# KiCad board board_delta.kicad_pcb (continued)
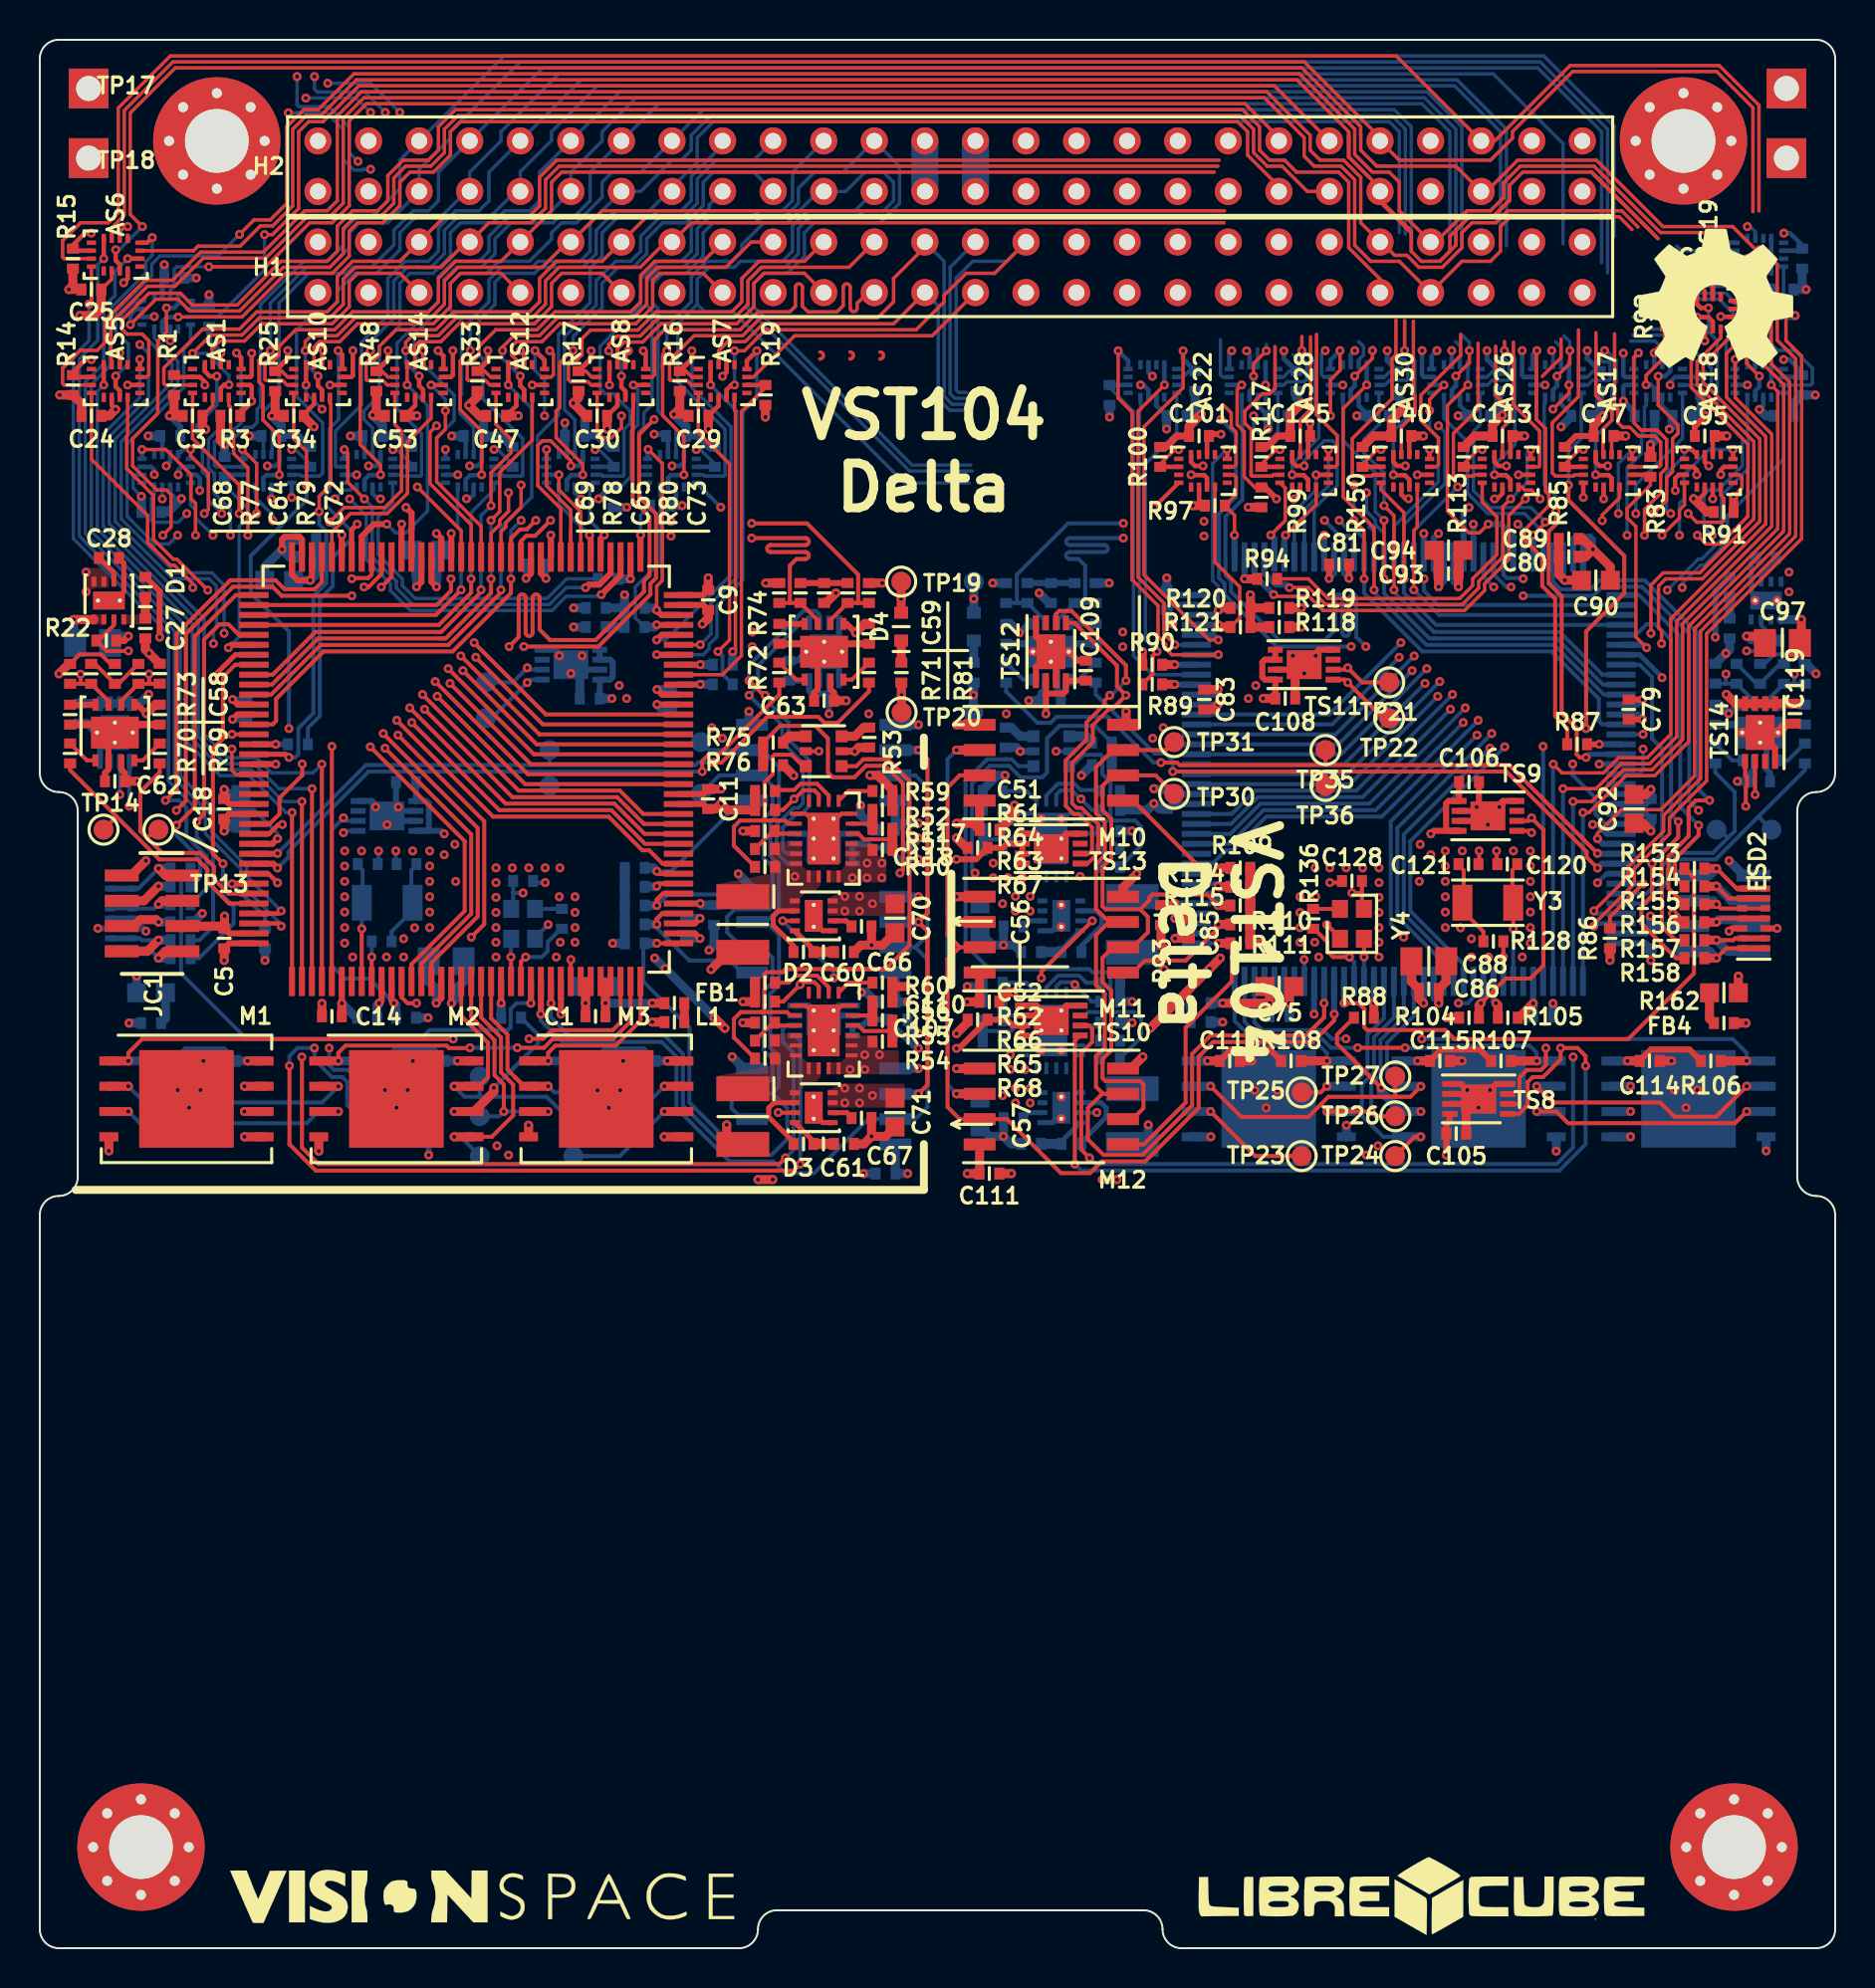
[diagram p0: board, top side]
## Routing (per net, layer and track width the routed paths; a pad name or vN(x,y) marks a point on that pad's centre or on a via; arc(x,y) is an arc through that point) (continued)
/OBC_right/USER2_2: length 30.8
  Top w0.225: AS17.8 79.96,75.27 v1(80,75.31)
  In2.Cu w0.173: v1(68.92,64.19) 71.34,66.61 75.16,66.61 75.41,66.87 75.42,66.87 79.28,70.73 v1(79.28,72.08)
  Bottom w0.17: v1(80,75.31) 79.28,74.59 79.28,73.07
  Bottom w0.173: v1(79.28,72.08) 79.28,73.07
  Bottom w0.2: v1(68.92,64.19) 65.22,60.49 U4.57
/OBC_right/USER2_4: length 29.1
  Top w0.225: AS17.12 78.14,74.67 78.34,74.48 v1(78.74,74.48)
  In2.Cu w0.173: v1(78.74,74.48) 78.74,73.67 78.03,72.96 78.03,72.14 75.36,69.47 75.36,67.74 74.83,67.21 70.62,67.21 68.27,64.86 v1(68.27,64.86)
  Bottom w0.2: v1(68.27,64.86) 68.24,64.83 68.24,64.82 64.91,61.49 U4.59
/OBC_right/USER2_EN: length 11.8
  Top w0.17: v1(80.7,65.34) 80.16,65.88 80.16,71.43 79.72,71.87 79.72,72.34 80.89,73.51 R83.1
  Top w0.225: R83.1 80.79,74.03 AS17.6
  Bottom w0.3: v1(80.7,65.34) 80.55,65.49 U4.114
/OBC_right/USER3_1: length 32.4
  Top w0.17: v1(81.47,70.99) 82.35,71.87 82.35,72.26 82.6,72.52 AS18.16
  In2.Cu w0.173: v1(70.95,62.99) 73.07,65.11 75.79,65.11 79.82,69.15 81.47,70.8 v1(81.47,70.99)
  Bottom w0.2: v1(70.95,62.99) 66.12,58.16 61.04,58.16 59.87,56.99 U4.50
/OBC_right/USER3_2: length 36.1
  Top w0.173: AS18.4 84.42,73.01 84.57,72.86 84.57,71.73 84.49,71.65 83.22,71.65 v1(82.79,72.08)
  In2.Cu w0.173: v1(82.79,72.08) 82.79,70.81 76.19,64.21 74.12,64.21 v1(71.49,61.58)
  Bottom w0.2: v1(71.49,61.58) 67.09,57.18 61.46,57.18 59.77,55.49 U4.47
/OBC_right/USER3_3: length 35.5
  Top w0.225: v1(82.6,75.31) 82.96,75.31 AS18.12
  In2.Cu w0.173: v1(70.85,62.25) 73.41,64.81 75.94,64.81 81.91,70.78 v1(81.91,72.08)
  Bottom w0.173: v1(81.91,72.08) 81.7,72.29 81.7,74.09 82.6,74.99 v1(82.6,75.31)
  Bottom w0.2: v1(70.85,62.25) 66.43,57.83 61.18,57.83 59.83,56.49 U4.49
/OBC_right/USER3_4: length 37.2
  Top w0.225: AS18.8 85.04,75.3 v1(85.04,75.3)
  In2.Cu w0.173: v1(71.59,62.32) 73.78,64.51 76.07,64.51 82.35,70.79 v1(82.35,70.99)
  Bottom w0.173: v1(82.35,70.99) 82.35,72.6 82.58,72.83 82.58,74.04 83.84,75.3 v1(85.04,75.3)
  Bottom w0.2: v1(71.59,62.32) 71.59,62.32 66.78,57.51 61.31,57.51 59.79,55.99 U4.48
/OBC_right/USER3_EN: length 27.6
  Top w0.173: v1(85.07,72.95) 85.48,73.36 85.48,73.91 85.37,74.03 AS18.6
  Top w0.225: AS18.14 83.06,74.43 83.22,74.27 v1(83.22,74.03)
  Top w0.45: R91.1 v1(85.07,72.95)
  In2.Cu w0.17: 76.99,61.37 v1(76.99,59.5)
  In2.Cu w0.173: 85.07,72.84 v1(85.07,72.95) ; v1(85.07,72.95) 85.07,71.39 83.54,69.86 83.54,68.77 81.91,67.14 81.91,65.36 78.3,61.75 77.29,61.75 76.99,61.45 76.99,61.37 ; v1(85.07,72.95) 84.46,73.56 83.69,73.56 v1(83.22,74.03)
  Bottom w0.2: v1(76.99,59.5) 76.99,58.94 78.13,57.79 78.13,56.99 78.63,56.49 U4.132
/OBC_right/USER4_1: length 44.7
  Top w0.173: AS19.4 84.42,80.91 83.24,79.73 83.24,78.54 86.08,75.7 86.08,71.81 83.37,69.1 81.53,69.1 80.92,68.49 v1(80.92,66.07)
  In2.Cu w0.173: v1(73.57,60.36) 75.91,62.7 77.41,62.7 80.78,66.07 v1(80.92,66.07)
  Bottom w0.2: U4.13 71.5,49.44 68.83,52.11 68.83,55.62 v1(73.57,60.36)
/OBC_right/USER4_2: length 48.7
  Top w0.225: AS19.12 83.22,82.61 83.42,82.41 v1(83.81,82.41)
  In2.Cu w0.173: v1(72.18,60.95) 74.84,63.61 76.46,63.61 83.4,70.55 83.55,70.55 v1(83.99,70.99)
  In2.Cu w0.2: v1(71.25,47.48) 68.5,50.23 v1(68.5,50.8)
  Bottom w0.173: v1(83.99,70.99) 83.58,71.4 83.58,73.03 83.81,73.26 84.29,73.26 85.51,74.48 85.51,75.85 84.24,77.12 84.24,80.76 83.81,81.2 v1(83.81,82.41)
  Bottom w0.2: v1(72.18,60.95) 67.85,56.62 67.85,51.45 v1(68.5,50.8) ; U4.12 72,47.78 71.7,47.48 v1(71.25,47.48)
/OBC_right/USER4_3: length 43.8
  Top w0.173: AS19.8 85.04,82.73 85.07,82.7 85.47,82.7 86.06,82.1 86.06,81.36 85.81,81.1 85.04,81.1 83.54,79.61 83.54,78.67 86.38,75.82 86.38,71.69 83.5,68.8 81.66,68.8 81.3,68.45 81.3,66.33 81.45,66.18 v1(81.45,65.55)
  In2.Cu w0.173: v1(75.5,60.38) 77.18,62.06 78.06,62.06 78.38,62.38 78.38,62.38 81.45,65.44 v1(81.45,65.55)
  Bottom w0.2: U4.5 75.5,59.44 v1(75.5,60.38)
/OBC_right/USER4_4: length 46.6
  Top w0.173: AS19.16 82.6,80.68 82.94,80.34 82.94,78.42 85.78,75.58 85.78,71.94 ; 85.78,71.94 85.6,71.76 ; 85.78,71.94 84.4,70.55 83.69,70.55 v1(83.25,70.99)
  In2.Cu w0.173: v1(72.24,61.69) 74.46,63.91 76.32,63.91 83.25,70.85 v1(83.25,70.99)
  Bottom w0.2: U4.45 58.89,54.49 59.56,55.16 59.91,55.16 61.6,56.85 67.4,56.85 v1(72.24,61.69) 72.24,61.66
/OBC_right/USER4_EN: length 32.6
  Top w0.225: AS19.14 81.77,82.37 R92.1 ; AS19.6 84.43,81.97 v1(84.42,81.98)
  Top w0.45: R92.1 v1(81.67,83.08)
  In2.Cu w0.173: v1(80.52,60.25) 80.05,60.72 80.05,63.07 82.21,65.22 82.21,67.01 83.84,68.64 83.84,69.74 85.51,71.41 85.51,78.01 84.42,79.1 v1(84.42,81.98) 84.42,82.45 83.79,83.08 v1(81.67,83.08)
  Bottom w0.173: U4.127 80.33,58.99 80.52,59.18 v1(80.52,60.25)
/OBC_right/USER5_1: length 38.7
  Top w0.173: v1(85.15,79.83) 85.15,77.91 86.98,76.07 86.98,71.44 82.21,66.67 82.21,60.87 80.85,59.51 79.41,59.51 78.16,58.26 v1(76.5,58.26)
  Bottom w0.2: U4.3 76.5,56.94 76.5,56.94 v1(76.5,58.26)
  Bottom w0.225: AS23.16 85.14,79.82 v1(85.15,79.83)
/OBC_right/USER5_2: length 39.9
  In2.Cu w0.173: v1(82.49,68.36) 77.13,63 75.54,63 v1(72.83,60.29)
  Bottom w0.173: 84.4,70.28 84.76,70.64 84.76,71.99 87.58,74.81 AS23.8 ; 84.4,70.28 83.61,69.49 83.42,69.49 82.49,68.56 v1(82.49,68.36) ; 84.4,70.28 84.68,70.55
  Bottom w0.2: U4.14 71,49.48 68.5,51.98 68.5,55.96 v1(72.83,60.29)
/OBC_right/USER5_3: length 36.8
  Top w0.173: v1(86.96,78.54) 87.28,78.22 87.28,71.32 82.51,66.55 82.51,60.74 80.98,59.21 79.54,59.21 77.94,57.62 v1(77,57.62)
  Bottom w0.2: U4.2 v1(77,57.62)
  Bottom w0.225: AS23.4 v1(86.96,78.54)
/OBC_right/USER5_4: length 38.7
  In2.Cu w0.173: v1(81.74,68.23) 76.81,63.3 75.19,63.3 v1(72.92,61.03)
  Bottom w0.173: v1(81.74,68.23) 83.29,69.79 83.47,69.79 84.46,70.78 84.46,72.99 85.5,74.03 85.5,74.04 85.81,74.35 85.81,75.97 85.76,76.02 AS23.12
  Bottom w0.2: U4.15 70.5,49.51 68.18,51.84 68.18,56.28 72.92,61.02 v1(72.92,61.03)
/OBC_right/USER5_EN: length 25.5
  In2.Cu w0.173: v1(81.47,63.84) 82.52,64.88 82.52,66.9 84.14,68.52 84.14,69.61 85.81,71.28 85.81,78.49 v1(85.76,78.54) 85.77,78.55 85.77,79.04 86.55,79.82 v1(87.58,79.82)
  Bottom w0.173: U4.115 80.33,64.99
  Bottom w0.225: v1(87.58,79.82) 87.87,79.82 88.51,79.18 R101.1 88.41,78.94 AS23.6 ; AS23.14 v1(85.76,78.54)
  Bottom w0.25: v1(81.47,63.84) 81.47,63.87 80.35,64.99 U4.115
/OBC_right/USER6_1: length 44.7
  Top w0.173: v1(77.5,57.06) 77.81,57.06 79.66,58.91 81.1,58.91 82.81,60.62 82.81,66.42 87.58,71.19 87.58,78.57 86.66,79.49 86.66,82.35 84.84,84.16 84.84,84.74 84.52,85.06 v1(84.52,85.95)
  Bottom w0.173: 85.02,85.69 AS24.16
  Bottom w0.2: U4.1 77.5,57.06 v1(77.5,57.06)
  Bottom w0.225: AS24.16 84.78,85.69 v1(84.52,85.95)
/OBC_right/USER6_2: length 39.9
  Top w0.173: v1(78.05,52.12) 79.78,53.85 79.78,54.35 81.55,56.12 81.55,56.91 83.41,58.77 83.41,66.17 88.18,70.95 88.18,79.87 87.26,80.79 87.26,84.59 v1(86.96,84.89)
  Bottom w0.225: U4.141 78.18,51.99 v1(78.05,52.12) ; AS24.4 v1(86.96,84.89)
/OBC_right/USER6_3: length 44.7
  Top w0.173: v1(76.01,59.49) 76.45,59.05 78.53,59.05 79.29,59.81 80.73,59.81 81.91,60.99 81.91,66.79 86.68,71.57 86.68,75.95 84.71,77.92 84.71,80.13 v1(85.15,80.57)
  In2.Cu w0.173: v1(85.96,83.68) 86.18,83.46 86.18,81.48 85.27,80.57 v1(85.15,80.57)
  Bottom w0.2: U4.4 76,59.48 v1(76.01,59.49)
  Bottom w0.225: AS24.12 85.76,83.88 v1(85.96,83.68)
/OBC_right/USER6_4: length 39.7
  Top w0.173: v1(87.7,82.61) 87.7,80.77 88.48,79.99 88.48,70.82 83.71,66.05 83.71,58.65 81.85,56.79 81.85,56 80.08,54.23 80.08,53.48 78.05,51.45 v1(78.05,51.35)
  Bottom w0.173: 87.58,82.73 87.58,83.11 ; 87.58,82.73 v1(87.7,82.61) ; 87.58,82.73 87.58,82.96 ; 87.58,83.11 87.58,82.96 ; 87.58,83.11 AS24.8 ; 87.58,82.96 87.58,82.89
  Bottom w0.225: U4.142 78.19,51.49 v1(78.05,51.35)
/OBC_right/USER6_EN: length 42.2
  Top w0.173: v1(85.76,84.89) 86.4,84.25 86.4,83.04 86.96,82.47 86.96,79.61 87.88,78.69 87.88,71.07 83.11,66.3 83.11,66.29 83.11,60.64 ; 83.11,60.64 83.11,58.9 81.42,57.2 79.42,57.2 78.23,56.01 v1(78.23,55.75) ; 83.11,60.64 83.11,60.5
  In2.Cu w0.173: v1(85.76,84.89) 85.76,85.39 86.54,86.17 v1(87.59,86.17)
  Bottom w0.225: AS24.14 v1(85.76,84.89) ; v1(87.59,86.17) 87.91,86.17 88.51,85.57 R102.1 88.41,85.29 AS24.6
  Bottom w0.3: v1(78.23,55.75) 78.49,55.49 U4.134
/OBC_right/USER_SPI2_EN: length 12
  Top w0.173: R85.1 76.59,74.56 77.33,75.3 v1(77.52,75.3)
  Top w0.225: AS17.14 R85.1
  In2.Cu w0.173: v1(77.52,75.3) 77.52,73.61 77.08,73.17 77.08,72.04 74.5,69.45 v1(74.5,68.81)
  Bottom w0.2: U4.100 73.5,69.02 73.68,68.84 74.47,68.84 v1(74.5,68.81)
/OBC_right/USER_SPI3_EN: length 17.5
  In2.Cu w0.173: v1(73.02,68.39) 73.02,69.71 75.79,72.48 75.79,76.47 77.05,77.73 79.24,77.73 v1(79.53,77.73)
  Bottom w0.2: v1(73.02,68.39) 72.5,68.91 U4.98
  Bottom w0.225: v1(79.53,77.73) 79.53,78.47 79.6,78.54 AS16.14
  Bottom w0.3: v1(79.53,77.73) 80.1,77.16 R84.2
/OBC_right/WATCHDOG: length 21
  Top w0.173: v1(59.19,64.99) 56.85,64.99 56.55,65.29 56.55,65.52 56.16,65.9 56.16,67.45 54.86,68.76 54.86,77.18 54.16,77.88 v1(54.16,80.26)
  Bottom w0.225: v1(54.16,80.26) 54.66,79.76 AS20.16
  Bottom w0.3: v1(59.19,64.99) 59.19,64.99 U4.66
CAN_1_N: length 22.3
  Top w0.173: H1.24 40.64,84.46 36.24,84.46 35.56,83.77 35.56,82.6 34.88,81.92 31.07,81.92 30.16,81 28.99,81 28.57,80.58 v1(28.57,80.26) ; 61.01,78.99 v1(60.96,78.99) 60.96,79.62 v1(61.6,80.26)
  Top w0.225: AS8.11 29.41,78.23 29.21,78.43 v1(29.21,78.99)
  Bottom w0.173: v1(28.57,80.26) 29.21,79.62 v1(29.21,78.99) 29.16,78.99 ; 61.6,80.58 v1(61.6,80.26)
  Bottom w0.225: AS21.11 60.76,78.23 60.96,78.43 v1(60.96,78.99)
CAN_1_P: length 19.8
  Top w0.173: TRC2.1 40.35,82.53 40.03,82.22 38.58,82.22 38.3,82.5 TRC1.1 ; TRC3.1 41.05,82.65 41.59,83.19 H1.23 ; TRC3.1 TRC2.1 ; TRC1.1 37.95,82.5 37.67,82.22 36.07,82.22 35.17,81.32 31.37,81.32 30.87,80.82 30.87,79.06 30.76,78.94 AS8.15
  Bottom w0.173: AS21.15 59.41,78.94 59.3,79.06 59.3,80.82
CAN_2_N: length 53
  Bottom w0.173: AS9.11 31.95,76.34 31.05,77.24 31.05,82.39 30.78,82.66 30.78,83.64 31.29,84.15 32.46,84.15 33.32,85.01 33.32,86.19 33.82,86.69 35.7,86.69 35.71,86.7 35.94,86.7 36.24,87 37.42,87 38.1,87.68 38.1,88.43 38.9,89.23 40.34,89.23 H2.24 43.18,89.54 43.18,87.68 42.2,86.69 38.9,86.69 38.4,86.19 38.4,85 38.1,84.7 38.09,84.7 37.54,84.15 36.36,84.15 35.86,83.65 35.86,82.46 43.8,74.52 46.75,74.52
CAN_2_P: length 41.6
  Bottom w0.173: 33.02,82.6 33.4,82.22 34.83,82.22 43.43,73.62 46.67,73.62 ; 33.02,82.6 32.04,81.62 32.04,78.69 34.41,76.32 34.41,74.01 34.37,73.97 33.39,73.97 33.33,74.03 AS9.15 ; 33.02,82.6 33.02,83.86 33.62,84.46 34.88,84.46 35.18,84.76 37.3,84.76 37.8,85.26 37.8,86.53 38.57,87.3 40.94,87.3 H2.23
CPU_MODE: length 31
  Top w0.173: H1.30 47.96,84.15 46.52,84.15 45.42,83.05 45.42,82.72 44.02,81.32 36.45,81.32 35.39,80.26 v1(34.89,80.26)
  Top w0.225: v1(34.89,78.54) 34.73,78.54 34.49,78.3 AS7.11
  Bottom w0.173: v1(34.89,78.54) v1(34.89,80.26) ; 46.55,78.17 46.15,78.17 46.02,78.3 46.02,83.92 46.86,84.76 48.56,84.76 H1.30
  Bottom w0.225: v1(55.28,78.54) 55.44,78.54 55.68,78.3 AS20.11
CPU_WD_1: length 13.2
  Top w0.173: H1.27 44.82,81.02 37.91,81.02 35.84,78.94 AS7.15
CPU_WD_2: length 9.1
  Bottom w0.173: 46.53,77.87 45.96,77.87 45.73,78.1 45.72,78.1 45.72,84.45 H1.28
GLO_FAULT: length 28.3
  Top w0.173: AS7.7 32.73,78.54 32.49,78.78 31.67,78.78 31.63,78.82 31.63,79.66 31.93,80.09 32.86,81.02 35.3,81.02 36.2,81.92 42.08,81.92 42.88,82.72 42.88,83.9 44.45,85.47 H1.26 ; 34.17,81.02 34.4,81.02
  Bottom w0.173: H1.26 45.42,84.76 45.42,77.98 45.82,77.57 46.59,77.57
GLO_KS_1: length 1.6
  Top w0.45: R53.1 41.37,61.33 40.93,60.89 LG1.3
GLO_KS_2: length 1.6
  Bottom w0.45: LG2.3 49.24,60.89 48.8,61.33 R132.1
GLO_SYNC: length 19.8
  Top w0.173: H1.25 42.88,81.62 36.32,81.62 35.42,80.72 34.55,80.72 34.09,80.26 AS7.3
  Bottom w0.173: 46.75,77.27 45.7,77.27 45.12,77.85 45.12,82.52 H1.25
I2C_1_SCL: length 14.6
  Top w0.173: AS8.3 29.01,80.36 29.35,80.7 30.28,80.7 31.2,81.62 35,81.62 35.86,82.47 35.86,83.65 36.37,84.16 38.4,84.16 H1.21
  Bottom w0.173: AS21.3 61.16,80.36
I2C_1_SDA: length 22.6
  Top w0.173: AS8.7 27.69,78.54 27.53,78.7 26.66,78.7 26.55,78.82 26.55,79.66 26.72,79.83 27,79.83 ; 27,79.83 27.23,80.06 27.23,80.86 27.66,81.3 30.03,81.3 30.95,82.22 34.76,82.22 35.26,82.72 35.26,83.9 36.12,84.76 38.4,84.76 H1.22 ; 27,79.83 26.78,79.83
  Bottom w0.173: 62.94,80.06 63.17,79.83 ; 63.17,79.83 63.45,79.83 63.62,79.66 63.62,78.82 63.51,78.7 62.64,78.7 62.48,78.54 AS21.7 ; 63.17,79.83 63.39,79.83
I2C_2_SCL: length 53.4
  Top w0.173: 31.28,79.4 31.28,80.05 v1(31.49,80.26) ; 31.28,79.4 31.28,79.74 ; 31.28,79.4 31.28,77.01 32.35,75.94 v1(32.35,74.03)
  Top w0.225: AS22.3 58.62,73.87 58.48,74.01 57.84,74.01 v1(57.82,74.03)
  Bottom w0.173: v1(31.49,80.26) 31.49,81.49 32.72,82.72 32.72,83.99 33.49,84.76 34.76,84.76 35.26,85.26 35.26,85.59 36.36,86.69 37.38,86.69 37.39,86.7 37.54,86.7 39.11,88.27 H2.21 40.48,88.27 41.44,89.23 42.38,89.23 42.88,88.73 42.88,87.8 42.38,87.3 41.37,87.3 41.07,87 38.69,87 38.1,86.4 38.1,85.14 37.42,84.46 36.24,84.46 35.56,83.77 35.56,82.34 43.68,74.22 46.83,74.22
  Bottom w0.225: AS9.3 31.55,73.87 31.69,74.01 32.33,74.01 v1(32.35,74.03)
I2C_2_SDA: length 54.5
  Top w0.173: AS22.7 59.97,74.43 60.08,74.55 60.08,76.17 59.83,76.42 59.83,77.14 59.42,77.55
  In2.Cu w0.173: H2.22 40.34,91.77 57.62,91.77 58.72,90.67 58.72,83.65
  Bottom w0.173: AS9.7 30.2,74.43 30.09,74.55 30.09,76.17 30.34,76.42 30.34,77.14 30.75,77.55 30.75,82.27 30.48,82.53 30.48,83.77 31.16,84.46 32.34,84.46 33.02,85.14 33.02,86.4 33.61,87 35.82,87 36.12,87.3 37.3,87.3 37.8,87.8 37.8,88.72 37.81,88.73 37.81,89.25 H2.22
SPI_1_CS1: length 95.4
  Top w0.173: AS10.3 13.77,80.45 14.04,80.72 15.06,80.72 15.96,81.62 19.76,81.62 20.62,82.47 20.62,83.65 21.12,84.15 23.16,84.15 H1.9
  In2.Cu w0.173: v1(13.36,92.96) 13.36,94.28 13.55,94.47 73.52,94.47 ; v1(16.61,92.24) 17.48,91.37 17.48,85.44 18.46,84.46 19.64,84.46 19.94,84.15 23.16,84.15 H1.9
  Bottom w0.173: 23.85,82.91 H1.9 ; 76.13,80.72 76.4,80.45 AS25.3 ; v1(13.36,92.96) 15.89,92.96 v1(16.61,92.24)
SPI_1_CS2: length 98.6
  Top w0.225: AS1.15 10.57,78.94 10.64,79.02 v1(10.64,80.14)
  In2.Cu w0.173: v1(10.64,80.14) 11.52,81.02 14.93,81.02 15.82,81.91 17.07,81.91 17.37,82.22 20.62,82.22 H1.7 20.48,83.19 19.52,84.15 17.43,84.15 17.13,84.45 16.35,84.45 15.54,85.26 15.54,88.73 16.19,89.38 v1(16.61,89.38) ; 78.65,81.02 v1(79.53,80.14) ; v1(12.48,92.22) 12.48,94.36 13.19,95.07 73.89,95.07
  Bottom w0.173: v1(12.48,92.22) 12.48,92.22 14.4,92.22 15.24,91.37 15.24,89.87 15.77,89.34 16.19,89.34 16.23,89.38 v1(16.61,89.38)
  Bottom w0.225: AS16.15 79.6,78.94 79.53,79.02 v1(79.53,80.14)
SPI_1_MISO: length 56.3
  Top w0.173: v1(13.33,80.27) 13.33,80.72 13.63,81.02 14.93,81.02 15.83,81.92 19.64,81.92 20.32,82.6 20.32,83.77 21,84.46 25.23,84.46 26.5,85.73 H1.12 28.24,87.3 59.5,87.3 ; v1(76.84,80.27) 76.84,79.63 v1(76.2,78.99)
  Top w0.225: AS10.11 14.17,78.3 13.97,78.5 v1(13.97,78.99)
  Bottom w0.173: v1(13.97,78.99) 13.33,79.63 v1(13.33,80.27) ; v1(76.84,80.27) 76.84,80.72 76.54,81.02
  Bottom w0.225: v1(76.2,78.99) 76.2,78.5 76,78.3 AS25.11
SPI_1_MOSI: length 59.5
  Top w0.173: AS10.7 12.42,78.54 12.19,78.78 11.35,78.78 11.31,78.82 11.31,79.66 11.35,79.7 11.66,79.7 12.01,80.06 12.01,80.48 12.85,81.32 14.81,81.32 15.71,82.22 19.52,82.22 20.02,82.72 20.02,83.9 20.88,84.76 23.16,84.76 H1.10 25.7,87.3 25.7,88.73 26.21,89.24 58.98,89.24
  Bottom w0.173: 78.16,80.48 78.16,80.06 78.51,79.7 78.82,79.7 78.86,79.66 78.86,78.82 78.82,78.78 77.98,78.78 77.75,78.54 AS25.7
SPI_1_SCK: length 97.2
  Top w0.173: 15.23,78.9 AS10.15
  Top w0.225: AS10.15 15.65,78.94 15.72,79.02 v1(15.72,80.27)
  In2.Cu w0.173: v1(15.72,80.27) 15.85,80.27 17.5,81.92 25.4,81.92 H1.11 25.4,84.45 20.06,84.45 19.76,84.76 18.58,84.76 17.78,85.56 17.78,91.81 v1(17.35,92.24) ; v1(74.45,80.27) 74.32,80.27 ; 73.47,94.17 13.94,94.17 v1(13.8,94.04)
  Bottom w0.173: 74.94,78.9 AS25.15 ; v1(17.35,92.24) 16.33,93.26 13.95,93.26 13.8,93.41 v1(13.8,94.04)
  Bottom w0.225: v1(74.45,80.27) 74.45,79.02 74.53,78.94 AS25.15
SPI_2_CS1: length 88.8
  Top w0.173: v1(16.61,80.27) 16.5,80.27 16.09,79.85 16.09,75.55 17.11,74.53 v1(17.11,74.03) ; v1(73.56,80.27) 73.56,80.72
  Top w0.225: AS26.3 73.86,73.79 73.64,74.01 73.08,74.01 v1(73.06,74.03)
  Bottom w0.173: v1(16.61,80.27) 16.61,80.72 17.78,81.89 17.78,82.59 17.78,82.6 17.78,83.77 18.46,84.46 19.64,84.46 20.32,85.14 20.32,86.31 21,87 22.62,87 23.89,88.27 H2.9 24.13,89.26 25.7,90.83 25.7,91.27 28,93.57 71.06,93.57 73.36,91.27 73.36,85.5 ; v1(73.06,74.03) 73.06,74.53 74.08,75.55 74.08,79.85 73.67,80.27 v1(73.56,80.27)
  Bottom w0.225: AS11.3 16.31,73.79 16.53,74.01 17.09,74.01 v1(17.11,74.03)
SPI_2_CS2: length 95.8
  Top w0.173: 77.28,81.3 77.28,77.96 75.96,76.64 75.96,74.12 76.12,73.97 77.02,73.97 77.09,74.03 AS17.15
  Bottom w0.173: 76.5,85.63 76.5,90.67 73,94.17 26.06,94.17 23.16,91.27 23.16,90.8 21.59,89.23 H2.7 21.42,88.27 20.15,87 18.89,87 18.08,86.19 18.08,85.33 16.9,84.15 15.83,84.15 14.94,83.26 14.94,82.72 14.44,82.22 13.81,82.22 12.89,81.3 12.89,77.96 14.21,76.64 14.21,74.12 14.05,73.97 13.15,73.97 13.08,74.03 AS2.15
SPI_2_MISO: length 81
  Top w0.173: AS26.11 73.46,76.39 73.89,76.82 73.89,77.24 73.12,78.01 73.12,80.48
  Bottom w0.173: AS11.11 16.71,76.39 16.28,76.82 16.28,77.24 17.05,78.01 17.05,80.48 18.08,81.51 18.08,83.65 18.58,84.15 19.76,84.15 20.62,85.01 20.62,86.19 21.12,86.69 22.74,86.69 23.35,87.3 24.6,87.3 25.1,87.8 25.1,89.23 H2.12 29.14,93.27 36.64,93.27 69.66,93.27 71.42,91.52 71.42,85.6
SPI_2_MOSI: length 86.9
  Top w0.173: 74.01,80.7 74.01,77.54 75.32,76.23 75.32,74.47 75.28,74.43 AS26.7
  Bottom w0.173: AS11.7 14.89,74.43 14.85,74.47 14.85,76.23 16.16,77.54 16.16,80.7 17.48,82.01 17.48,83.9 18.34,84.76 19.52,84.76 20.02,85.26 20.02,86.44 20.88,87.3 22.06,87.3 22.56,87.8 22.56,89.23 H2.10 27.2,93.87 71.18,93.87 73.66,91.39 73.66,85.54
SPI_2_SCK: length 84
  Top w0.173: AS26.15 72.07,74.03 72.01,73.97 71.04,73.97 71,74.01 71,76.11 72.24,77.35 72.24,80.64
  Bottom w0.173: AS11.15 18.1,74.03 18.16,73.97 19.13,73.97 19.17,74.01 19.17,76.11 17.93,77.35 17.93,80.64 20.02,82.72 20.02,83.99 20.79,84.76 22.06,84.76 22.56,85.26 22.56,86.01 23.54,86.99 25.4,86.99 H2.11 26.67,89.23 28.24,90.8 28.24,91.27 29.94,92.97 69.54,92.97 71.12,91.39 71.12,85.6
SUP_3V3: length 48
  In3.Cu w0.77: v1(41.55,54.52) 41.55,56.33 43.29,58.07 43.29,61.72 44.09,62.52 44.09,81.43 43.18,82.34 43.18,91.41 43.84,92.07 45.72,92.07 H2.28
  In3.Cu w1.365: H2.28 H2.27
  Bottom w1.365: H2.28 H2.27
  vias: v1(40.81,53.78) v1(41.55,53.78) v1(42.29,54.52) v1(42.29,53.78) v1(47.88,54.52) v1(47.88,53.78) v1(48.62,53.78) v1(49.36,53.78)
SUP_5V: length 50.4
  In3.Cu w0.77: H2.25 45.72,87 45.72,82.19 44.99,81.46 44.99,47.85 42.17,45.04 v1(42.17,44.89)
  In3.Cu w1.365: H2.26 H2.25
  Bottom w1.365: H2.26 H2.25
  vias: v1(40.69,44.15) v1(41.43,44.89) v1(41.43,44.15) v1(48.74,44.89) v1(48.74,44.15) v1(49.48,44.15)
UART_1_CTS: length 53.1
  Top w0.173: AS14.7 17.46,78.54 17.22,78.78 16.43,78.78 16.39,78.82 16.39,79.66 16.56,79.83 16.82,79.83 17.05,80.06 17.05,80.48 17.89,81.32 19.89,81.32 20.79,82.22 24.6,82.22 25.1,82.72 25.1,83.9 25.96,84.76 28.24,84.76 H1.14 30.48,87 59.46,87
  Bottom w0.173: 73.12,80.48 73.12,80.06 73.35,79.83 73.61,79.83 73.78,79.66 73.78,78.82 73.74,78.78 72.95,78.78 72.71,78.54 AS29.7
UART_1_RST: length 51.1
  Top w0.173: v1(18.37,80.27) 18.37,80.68 18.71,81.02 20.01,81.02 20.91,81.92 24.72,81.92 25.4,82.6 25.4,83.77 26.08,84.46 30.16,84.46 31.43,85.73 H1.16 32.72,86.69 59.46,86.69 59.47,86.7 ; 71.19,78.99 v1(71.12,78.99) 71.8,79.66 v1(71.8,80.27)
  Top w0.225: v1(19.05,78.99) 19.05,78.5 19.25,78.3 AS14.11
  In1.Cu w0.173: 71.13,78.99 v1(71.12,78.99)
  In4.Cu w0.173: 19.04,78.99 v1(19.05,78.99)
  Bottom w0.173: v1(18.37,80.27) 18.37,79.66 v1(19.05,78.99) 18.98,78.99 ; v1(71.8,80.27) 71.8,80.68 71.46,81.02
  Bottom w0.225: v1(71.12,78.99) 71.12,78.5 70.92,78.3 AS29.11
UART_1_RX: length 15.7
  Top w0.225: v1(20.75,80.27) 20.75,79.04 20.64,78.94 AS14.15
  In2.Cu w0.173: H1.15 30.18,81.62 22.09,81.62 v1(20.75,80.27)
  Bottom w0.225: AS29.15 69.53,78.94 69.42,79.04 v1(69.42,80.27)
UART_1_TX: length 95.3
  Top w0.173: AS14.3 18.82,80.14 18.82,80.48 19.06,80.72 20.14,80.72 21.04,81.62 24.84,81.62 25.7,82.47 25.7,83.65 26.2,84.15 28.24,84.15 H1.13
  In2.Cu w0.173: v1(14.46,93.7) 14.63,93.87 72.65,93.87 ; H1.13 27.64,84.76 21.12,84.76 20.62,85.26 20.62,85.59 19.52,86.69 19.19,86.69 18.08,87.8 18.08,88.5 v1(18.08,92.24)
  Bottom w0.173: 71.11,80.72 71.35,80.48 71.35,80.14 AS29.3 ; v1(18.08,92.24) 16.62,93.7 v1(14.46,93.7)
UART_2_CTS: length 81.6
  Top w0.173: AS30.7 70.13,74.43 70.24,74.55 70.24,75.88 69.36,76.76 69.36,78.03 71.36,80.03 71.36,81.09
  Bottom w0.173: AS15.7 20.04,74.43 19.93,74.55 19.93,75.88 20.81,76.76 20.81,78.03 18.81,80.03 18.81,81.09 20.32,82.6 20.32,83.86 20.92,84.46 22.18,84.46 22.86,85.14 22.86,85.89 23.66,86.69 25.78,86.69 26.08,87 26.84,87 27.64,87.8 27.64,89.23 H2.14 31.08,92.67 69.42,92.67 70.82,91.27 70.82,85.56
UART_2_RST: length 74.4
  Top w0.173: AS30.11 68.38,76.42 69.06,77.1 69.06,77.99 68.99,78.06 68.99,81.75
  Bottom w0.173: 68.88,86.15 68.88,91.52 68.02,92.37 33.32,92.37 H2.16 30.18,89.23 28.74,89.23 28.24,88.73 28.24,87.98 26.96,86.69 26.2,86.69 25.7,86.19 25.7,85.86 24.6,84.76 23.06,84.76 22.46,84.15 21.12,84.15 20.62,83.65 20.62,82.88 20.62,82.31 21.18,81.75 21.18,78.06 21.11,77.99 21.11,77.1 21.79,76.42 AS15.11
UART_2_RX: length 78.5
  Top w0.173: 68.11,81.8 68.11,80.06 67.91,79.86 67.91,77.85 65.92,75.85 65.92,74.01 65.96,73.97 66.89,73.97 66.95,74.03 AS30.15
  Bottom w0.173: 22.86,82.85 22.86,82.6 22.06,81.8 22.06,80.06 22.26,79.86 22.26,77.85 24.25,75.85 24.25,74.01 24.21,73.97 23.28,73.97 23.22,74.03 AS15.15 ; 22.86,82.85 22.86,82.59 22.85,82.59 ; 22.86,82.85 22.86,83.71 23.31,84.15 24.84,84.15 25.14,84.46 27.26,84.46 27.94,85.14 27.94,86.19 27.94,86.31 28.92,87.3 30.61,87.3 31.58,88.27 H2.15 31.75,88.48 33.02,89.75 33.02,90.97 33.82,91.77 67.78,91.77 68.28,91.27 68.28,86.19
UART_2_TX: length 78.3
  Top w0.173: v1(21.62,80.27) 21.11,79.76 21.11,77.31 22.19,76.23 v1(22.19,74.03) ; 68.55,81.78 v1(68.55,80.27)
  Top w0.225: v1(67.98,74.03) 68,74.01 68.56,74.01 68.78,73.79 AS30.3
  Bottom w0.173: v1(21.62,80.27) 21.62,81.78 22.56,82.72 22.56,83.83 23.18,84.45 23.46,84.45 23.47,84.46 24.62,84.46 ; v1(67.98,74.03) 67.98,76.23 69.06,77.31 69.06,79.76 v1(68.55,80.27) ; 24.62,84.46 24.72,84.46 ; 24.62,84.46 24.72,84.46 ; 24.72,84.46 25.02,84.76 26.11,84.76 ; 68.58,86.13 68.58,91.39 67.9,92.07 33.7,92.07 32.72,91.09 32.72,90.34 32.22,89.84 31.75,89.84 30.18,88.27 H2.13 27.64,86.69 27.64,85.26 27.14,84.76 26.11,84.76 ; 25.96,84.76 26.11,84.76
  Bottom w0.225: v1(22.19,74.03) 22.17,74.01 21.61,74.01 21.39,73.79 AS15.3
UART_RCS_1_CTS: length 22.3
  Top w0.173: AS12.7 22.61,78.54 22.38,78.78 21.51,78.78 21.47,78.82 21.47,79.66 21.64,79.83 21.83,79.83 22.06,80.06 22.06,80.48 22.9,81.32 24.97,81.32 25.87,82.22 29.68,82.22 30.18,82.72 30.18,84.05 30.88,84.76 33.32,84.76 H1.18
  Bottom w0.173: AS27.7 67.56,78.54 67.79,78.78 68.66,78.78 68.7,78.82 68.7,79.66 68.53,79.83 68.34,79.83 68.11,80.06 68.11,80.48
UART_RCS_1_RST: length 22.5
  Top w0.173: H1.20 35.72,85.73 34.46,84.46 31.01,84.46 30.48,83.93 30.48,82.6 29.8,81.92 25.99,81.92 25.09,81.02 23.81,81.02 23.24,80.45 v1(23.24,80.27) ; v1(66.93,80.27) 66.93,79.88 v1(66.04,78.99)
  Top w0.225: v1(24.13,78.99) 24.13,78.5 24.33,78.3 AS12.11
  Bottom w0.173: v1(23.24,80.27) 23.24,79.88 v1(24.13,78.99) ; v1(66.93,80.27) 66.93,80.45
  Bottom w0.225: v1(66.04,78.99) 66.04,78.5 65.84,78.3 AS27.11
UART_RCS_1_RX: length 16
  Top w0.173: AS12.15 25.68,78.94 25.79,79.06 25.79,80.09 v1(25.61,80.27)
  In2.Cu w0.173: v1(25.61,80.27) 26.66,81.32 34.96,81.32 H1.19
  Bottom w0.173: AS27.15 64.49,78.94 64.38,79.06 64.38,80.09 v1(64.56,80.27)
UART_RCS_1_TX: length 16
  Top w0.173: H1.17 33.32,84.15 31.13,84.15 30.78,83.8 30.78,82.47 29.92,81.62 26.12,81.62 25.22,80.72 23.93,80.72 23.69,80.48 23.69,80.05 23.93,79.81 AS12.3
  Bottom w0.173: 34.06,82.96 H1.17 ; AS27.3 66.24,79.81 66.48,80.05 66.48,80.48 66.24,80.72
UART_RCS_2_CTS: length 65.4
  Top w0.173: 64.12,81.09 64.12,77.04 65.16,76 65.16,74.55 65.05,74.43 AS28.7
  In2.Cu w0.173: 60.96,83.49 60.96,91.39 59.98,92.37 35.86,92.37 H2.18
  Bottom w0.173: AS13.7 25.12,74.43 25.01,74.55 25.01,76 26.05,77.04 26.05,81.09 27.64,82.68 27.64,84.41 28.24,85.01 28.24,86.04 28.24,86.19 29.05,87 30.74,87 31.04,87.3 32.22,87.3 32.72,87.8 32.72,89.02 34.29,90.59 H2.18
UART_RCS_2_RST: length 61.3
  Top w0.173: AS28.11 63.3,76.79 63.82,77.31 63.82,80.96
  In2.Cu w0.173: H2.20 38.1,92.07 59.86,92.07 60.66,91.27 60.66,83.31
  Bottom w0.173: AS13.11 26.87,76.79 26.35,77.31 26.35,80.96 27.94,82.55 27.94,83.77 28.92,84.76 29.68,84.76 30.18,85.26 30.18,86.01 31.16,87 32.34,87 33.02,87.68 33.02,88.9 33.96,89.84 35.86,89.84 H2.20
UART_RCS_2_RX: length 61.4
  Top w0.173: v1(27.27,74.03) 27.27,74.55 25.93,75.89 25.93,77.23 26.12,77.42 26.12,79.66 26.73,80.27 v1(26.79,80.27) ; v1(63.38,80.27) 63.38,80.98